# Altium PCB 400432.PcbDoc (part 6 of 6)
Units mil, origin at the board's own origin, x right, y up, seen from the top; angles counter-clockwise.
Board outline 5375 x 2500 mil, 4 copper layers (Top Layer, Mid-Layer 1, Mid-Layer 2, Bottom Layer), stack 59.252 mil thick; 366 components, 253 nets, 1494 pads, 1929 vias.
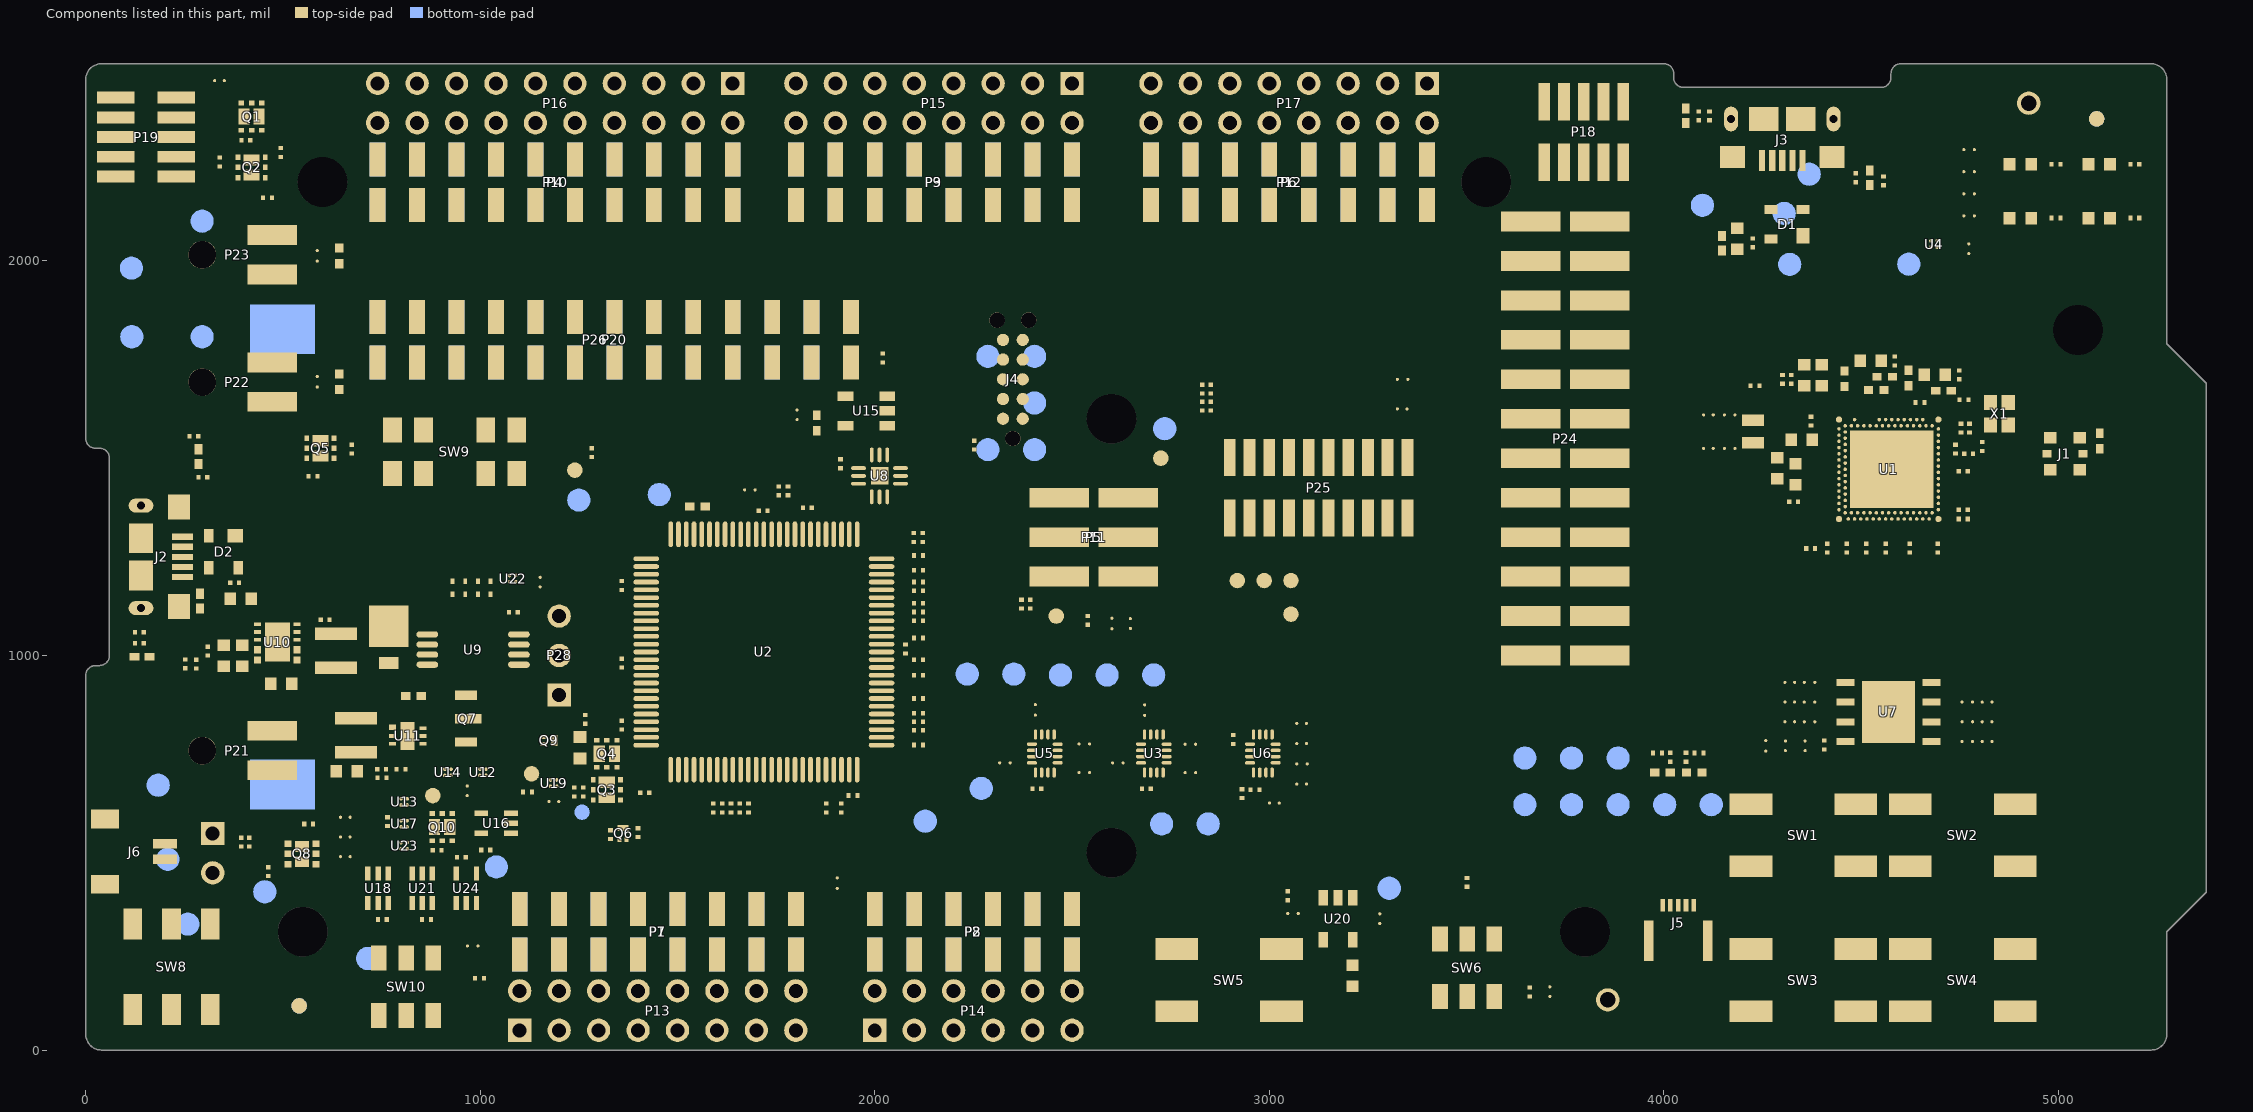
[diagram p8: the components of this part, seen from the top]

## Silkscreen, mask and mechanical layers (free items; w line width, h text height) (continued)
Mechanical 4:
  lines w6.5: 245.35,1250 246.16,1250 cw(c246.16,1156.61) 312.2,1222.65 ; 245.35,1275.59 ccw(c245.35,1369.96) 312.08,1303.23 312.2,1303.35 324.33,1291.23 ccw(c378,1344.91) 378,1269 ; 597.36,1318.66 cw(c629.48,1286.53) 629.48,1331.97 1295.67,1331.97 ; 1476.89,1516.24 cw(c1525.56,1467.58) 1525.15,1536.4 1709,1536.4 ; 1477,1516.14 1322,1361.14 cw(c1285.67,1397.47) 1285.67,1346.09 ; 1483.84,1499.06 cw(c1532.5,1450.4) 1532.1,1519.22 1703.9,1519.22 ; 1483.94,1498.96 1332,1347.02 cw(c1295.67,1383.35) 1295.67,1331.97 ; 1704.39,1519.22 cw(c1703.9,1465.86) 1757.26,1465.61 ; 1709,1536.16 cw(c1708.37,1467.34) 1777.19,1467.02 ; 1757.21,1465.14 ccw(c1775.41,1464.47) 1767.01,1448.31 cw(c1761.6,1430.94) 1779.8,1430.27 ; 4271.88,2130.32 4275.71,2126.5 cw(c4205,2055.79) 4305,2055.79 4305,1720.88 cw(c4291.34,1720.88) 4301,1711.22 ; 4272.81,2129.94 4294.29,2151.42 ; 4294.31,2151.4 ccw(c4280.17,2165.54) 4300.16,2165.54 4300.17,2264 ; 4301,1688.78 cw(c4291.34,1679.12) 4305,1679.12 4305,1671 ccw(c4340.72,1671) 4315.46,1645.74 ccw(c4375.2,1705.48) 4375.2,1621 4426.03,1621 cw(c4426.03,1580.03) 4455,1609 cw(c4443.54,1597.54) 4459.75,1597.54 4459.75,1582.24 4460,1582.49 ; 4323,1688.78 ccw(c4332.66,1679.12) 4319,1679.12 4319,1671 ccw(c4340.72,1671) 4325.35,1655.65 ccw(c4375.21,1705.5) 4375.21,1635 4426.03,1635 cw(c4426.03,1580.03) 4464.9,1618.9 cw(c4450.16,1604.16) 4471,1604.16 4471,1593.09 ccw(c4486.35,1593.09) 4475.5,1582.24 ; 4323,1711.22 cw(c4332.66,1720.88) 4319,1720.88 4319,1991.26 4319,2055.31 cw(c4419,2055.31) 4348.29,2126.02 4352.59,2130.32 4331.52,2151.4 cw(c4345.66,2165.54) 4325.66,2165.54 4325.66,2264.37 ; 312.2,1222.65 320.91,1231.35 cw(c378,1174.27) 378,1255 486.49,1255 ccw(c486.49,1368.79) 566.95,1288.33 582.39,1303.77 ; 312.2,1222.65 312.2,1222.65 ; 378,1269 486.4,1269 ccw(c486.4,1369) 557.12,1298.29 574.33,1315.5 ; 378,1269 378,1269 ; 574.33,1315.5 574.33,1315.52 ; 574.33,1315.52 584.24,1325.44 cw(c634.1,1275.58) 634.1,1346.09 1285.67,1346.09 ; 582.39,1303.77 582.41,1303.77 ; 582.41,1303.77 594.57,1315.93 cw(c632.41,1278.1) 594.78,1316.13 ; 594.78,1316.13 594.78,1316.13 ; 1285.67,1346.09 1285.67,1346.09 ; 1295.67,1331.97 1295.67,1331.97
  lines w30: 4755.02,1511.36 4970.9,1511.36
  text "90ohm differensial impedance" at 3831,2275 h40
  text "50ohm impedance" at 4676,1549 h40
  text "90ohm differensial impedance" at 632,1260 h40
Top Assembly:
  drawing of 47 lines, arcs and shapes, not listed
Bottom Assembly:
  drawing of 47 lines, arcs and shapes, not listed
Mechanical 24:
  lines w6.5: 245.35,1250 246.16,1250 cw(c246.16,1156.61) 312.2,1222.65 ; 245.35,1275.59 ccw(c245.35,1369.96) 312.08,1303.23 312.2,1303.35 324.33,1291.23 ccw(c378,1344.91) 378,1269 ; 597.36,1318.66 cw(c629.48,1286.53) 629.48,1331.97 1295.67,1331.97 ; 1476.89,1516.24 cw(c1525.56,1467.58) 1525.15,1536.4 1709,1536.4 ; 1477,1516.14 1322,1361.14 cw(c1285.67,1397.47) 1285.67,1346.09 ; 1483.84,1499.06 cw(c1532.5,1450.4) 1532.1,1519.22 1703.9,1519.22 ; 1483.94,1498.96 1332,1347.02 cw(c1295.67,1383.35) 1295.67,1331.97 ; 1704.39,1519.22 cw(c1703.9,1465.86) 1757.26,1465.61 ; 1709,1536.16 cw(c1708.37,1467.34) 1777.19,1467.02 ; 1757.21,1465.14 ccw(c1775.41,1464.47) 1767.01,1448.31 cw(c1761.6,1430.94) 1779.8,1430.27 ; 4271.88,2130.32 4275.71,2126.5 cw(c4205,2055.79) 4305,2055.79 4305,1720.88 cw(c4291.34,1720.88) 4301,1711.22 ; 4272.81,2129.94 4294.29,2151.42 ; 4294.31,2151.4 ccw(c4280.17,2165.54) 4300.16,2165.54 4300.17,2264 ; 4301,1688.78 cw(c4291.34,1679.12) 4305,1679.12 4305,1671 ccw(c4340.72,1671) 4315.46,1645.74 ccw(c4375.2,1705.48) 4375.2,1621 4426.03,1621 cw(c4426.03,1580.03) 4455,1609 cw(c4443.54,1597.54) 4459.75,1597.54 4459.75,1582.24 4460,1582.49 ; 4323,1688.78 ccw(c4332.66,1679.12) 4319,1679.12 4319,1671 ccw(c4340.72,1671) 4325.35,1655.65 ccw(c4375.21,1705.5) 4375.21,1635 4426.03,1635 cw(c4426.03,1580.03) 4464.9,1618.9 cw(c4450.16,1604.16) 4471,1604.16 4471,1593.09 ccw(c4486.35,1593.09) 4475.5,1582.24 ; 4323,1711.22 cw(c4332.66,1720.88) 4319,1720.88 4319,1991.26 4319,2055.31 cw(c4419,2055.31) 4348.29,2126.02 4352.59,2130.32 4331.52,2151.4 cw(c4345.66,2165.54) 4325.66,2165.54 4325.66,2264.37 ; 312.2,1222.65 320.91,1231.35 cw(c378,1174.27) 378,1255 486.49,1255 ccw(c486.49,1368.79) 566.95,1288.33 582.39,1303.77 ; 312.2,1222.65 312.2,1222.65 ; 378,1269 486.4,1269 ccw(c486.4,1369) 557.12,1298.29 574.33,1315.5 ; 378,1269 378,1269 ; 574.33,1315.5 574.33,1315.52 ; 574.33,1315.52 584.24,1325.44 cw(c634.1,1275.58) 634.1,1346.09 1285.67,1346.09 ; 582.39,1303.77 582.41,1303.77 ; 582.41,1303.77 594.57,1315.93 cw(c632.41,1278.1) 594.78,1316.13 ; 594.78,1316.13 594.78,1316.13 ; 1285.67,1346.09 1285.67,1346.09 ; 1295.67,1331.97 1295.67,1331.97
  lines w30: 4755.02,1511.36 4970.9,1511.36
  text "90ohm differensial impedance" at 3831,2275 h40
  text "50ohm impedance" at 4676,1549 h40
  text "90ohm differensial impedance" at 632,1260 h40

## Dimensions
5235,2460 to 5361.22,2586.22 on Mechanical 3
0,40 to 3550,2200 on Mechanical 3
0,40 to 5275,40 on Mechanical 3
0,40 to 5375,400 on Mechanical 3
0,40 to 550,300 on Mechanical 3
0,40 to 600,2200 on Mechanical 3
0,40 to 2600,500 on Mechanical 3
0,40 to 3800,300 on Mechanical 3
5235,0 to 3999.95,2500 on Mechanical 3
5235,0 to 3800,300 on Mechanical 3
5235,0 to 2600,500 on Mechanical 3
5235,0 to 2600,1600 on Mechanical 3
5235,0 to 600,2200 on Mechanical 3
5235,0 to 5050,1825 on Mechanical 3
0,40 to 5050,1825 on Mechanical 3

## Text inside footprints (layer, text, board x,y; h text height)
Bat1: Bottom Overlay "+" at 581.68,616.14 h70 r270
P18: Top Overlay "1" at 3690.7,2151.8 h40
P19: Top Overlay "1" at 328.19,2207.7 h40 r90
P25: Top Overlay "1" at 3356.3,1600.2 h40 r180
SW9: Top Overlay "NN" at 1159.41,1482.54 h40 r90
U1: Top Component Info "B16" at 4566.11,1588.57 h3.15; Top Component Info "B26" at 4644.85,1588.57 h3.15; Top Component Info "AK16" at 4564.56,1352.35 h3.15; Top Component Info "AK26" at 4643.3,1352.35 h3.15; Top Component Info "B6" at 4488.53,1588.57 h3.15; Top Component Info "AK6" at 4486.98,1352.35 h3.15; Top Component Info "T2" at 4446.83,1470.43 h3.15; Top Component Info "F2" at 4446.83,1549.17 h3.15; Top Component Info "AF2" at 4443.68,1391.68 h3.15; Top Component Info "B28" at 4660.6,1588.57 h3.15; Top Component Info "A27" at 4652.59,1604.31 h3.15; Top Component Info "B30" at 4676.34,1588.57 h3.15; Top Component Info "C31" at 4700.78,1572.79 h3.15; Top Component Info "E31" at 4700.78,1557.04 h3.15; Top Component Info "N31" at 4700.78,1494.05 h3.15; Top Component Info "R31" at 4700.78,1478.3 h3.15; Top Component Info "L31" at 4700.78,1509.8 h3.15; Top Component Info "G31" at 4700.78,1541.29 h3.15; Top Component Info "J31" at 4700.78,1525.54 h3.15; Top Component Info "AE31" at 4700.78,1399.56 h3.15; Top Component Info "AC31" at 4700.78,1415.31 h3.15; Top Component Info "W31" at 4700.78,1446.8 h3.15; Top Component Info "AA31" at 4700.78,1431.06 h3.15; Top Component Info "U31" at 4700.78,1462.55 h3.15; Top Component Info "AK30" at 4674.8,1352.34 h3.15; Top Component Info "AJ31" at 4700.78,1368.06 h3.15; Top Component Info "AG31" at 4700.78,1383.81 h3.15; Top Component Info "AK28" at 4659.05,1352.35 h3.15; Top Component Info "AL27" at 4650.91,1336.59 h3.15; Top Component Info "AL29" at 4666.66,1336.59 h3.15; Top Component Info "B22" at 4613.35,1588.57 h3.15; Top Component Info "A19" at 4589.6,1604.31 h3.15; Top Component Info "A17" at 4573.85,1604.31 h3.15; Top Component Info "B18" at 4581.86,1588.57 h3.15; Top Component Info "A21" at 4605.35,1604.28 h3.15; Top Component Info "B20" at 4597.6,1588.57 h3.15; Top Component Info "A25" at 4636.85,1604.31 h3.15; Top Component Info "A23" at 4621.1,1604.28 h3.15; Top Component Info "B24" at 4629.1,1588.57 h3.15; Top Component Info "AK22" at 4611.8,1352.34 h3.15; Top Component Info "AL19" at 4587.92,1336.59 h3.15; Top Component Info "AL17" at 4572.17,1336.59 h3.15; Top Component Info "AK18" at 4580.31,1352.35 h3.15; Top Component Info "AL21" at 4603.67,1336.59 h3.15; Top Component Info "AK20" at 4596.06,1352.31 h3.15; Top Component Info "AL25" at 4635.17,1336.59 h3.15; Top Component Info "AL23" at 4619.42,1336.59 h3.15; Top Component Info "AK24" at 4627.55,1352.34 h3.15; Top Component Info "A15" at 4558.11,1604.31 h3.15; Top Component Info "B8" at 4504.28,1588.57 h3.15; Top Component Info "B12" at 4534.61,1588.57 h3.15; Top Component Info "B10" at 4518.86,1588.57 h3.15; Top Component Info "A13" at 4542.36,1604.28 h3.15; Top Component Info "B14" at 4550.36,1588.57 h3.15; Top Component Info "AL15" at 4556.43,1336.59 h3.15; Top Component Info "AL9" at 4509.18,1336.59 h3.15; Top Component Info "AL7" at 4494.6,1336.59 h3.15; Top Component Info "AK8" at 4502.73,1352.35 h3.15; Top Component Info "AK12" at 4533.06,1352.34 h3.15; Top Component Info "AL11" at 4524.93,1336.59 h3.15; Top Component Info "AK10" at 4517.32,1352.31 h3.15; Top Component Info "AL13" at 4540.68,1336.59 h3.15; Top Component Info "AK14" at 4548.81,1352.34 h3.15; Top Component Info "B2" at 4457.66,1588.03 h3.15; Top Component Info "A5" at 4480.53,1604.31 h3.15; Top Component Info "B4" at 4472.78,1588.57 h3.15; Top Component Info "C1" at 4433.42,1572.79 h3.15; Top Component Info "E1" at 4434.19,1557.04 h3.15; Top Component Info "D2" at 4446.83,1564.91 h3.15; Top Component Info "K2" at 4446.83,1517.67 h3.15; Top Component Info "N1" at 4434.19,1494.05 h3.15; Top Component Info "R1" at 4433.94,1478.3 h3.15; Top Component Info "P2" at 4446.83,1486.17 h3.15; Top Component Info "L1" at 4432.64,1509.8 h3.15; Top Component Info "M2" at 4446.83,1501.92 h3.15; Top Component Info "G1" at 4433.42,1541.29 h3.15; Top Component Info "J1" at 4433.42,1525.54 h3.15; Top Component Info "H2" at 4446.83,1533.42 h3.15; Top Component Info "AB2" at 4443.68,1423.18 h3.15; Top Component Info "AE1" at 4431.36,1399.56 h3.15; Top Component Info "AC1" at 4430.59,1415.31 h3.15; Top Component Info "AD2" at 4443.68,1407.43 h3.15; Top Component Info "W1" at 4433.42,1446.8 h3.15; Top Component Info "AA1" at 4430.84,1431.06 h3.15; Top Component Info "Y2" at 4446.83,1438.93 h3.15; Top Component Info "V2" at 4446.83,1454.68 h3.15; Top Component Info "AL3" at 4463.1,1336.59 h3.15; Top Component Info "AK2" at 4455.49,1353.36 h3.15; Top Component Info "AL5" at 4478.85,1336.59 h3.15; Top Component Info "AK4" at 4471.23,1352.34 h3.15; Top Component Info "AH2" at 4443.68,1375.94 h3.15; Top Component Info "AJ1" at 4430.59,1368.06 h3.15; Top Component Info "AG1" at 4430.59,1383.81 h3.15